# Altium PCB KlusterLab r2.0.PcbDoc (part 16 of 22) (continued)
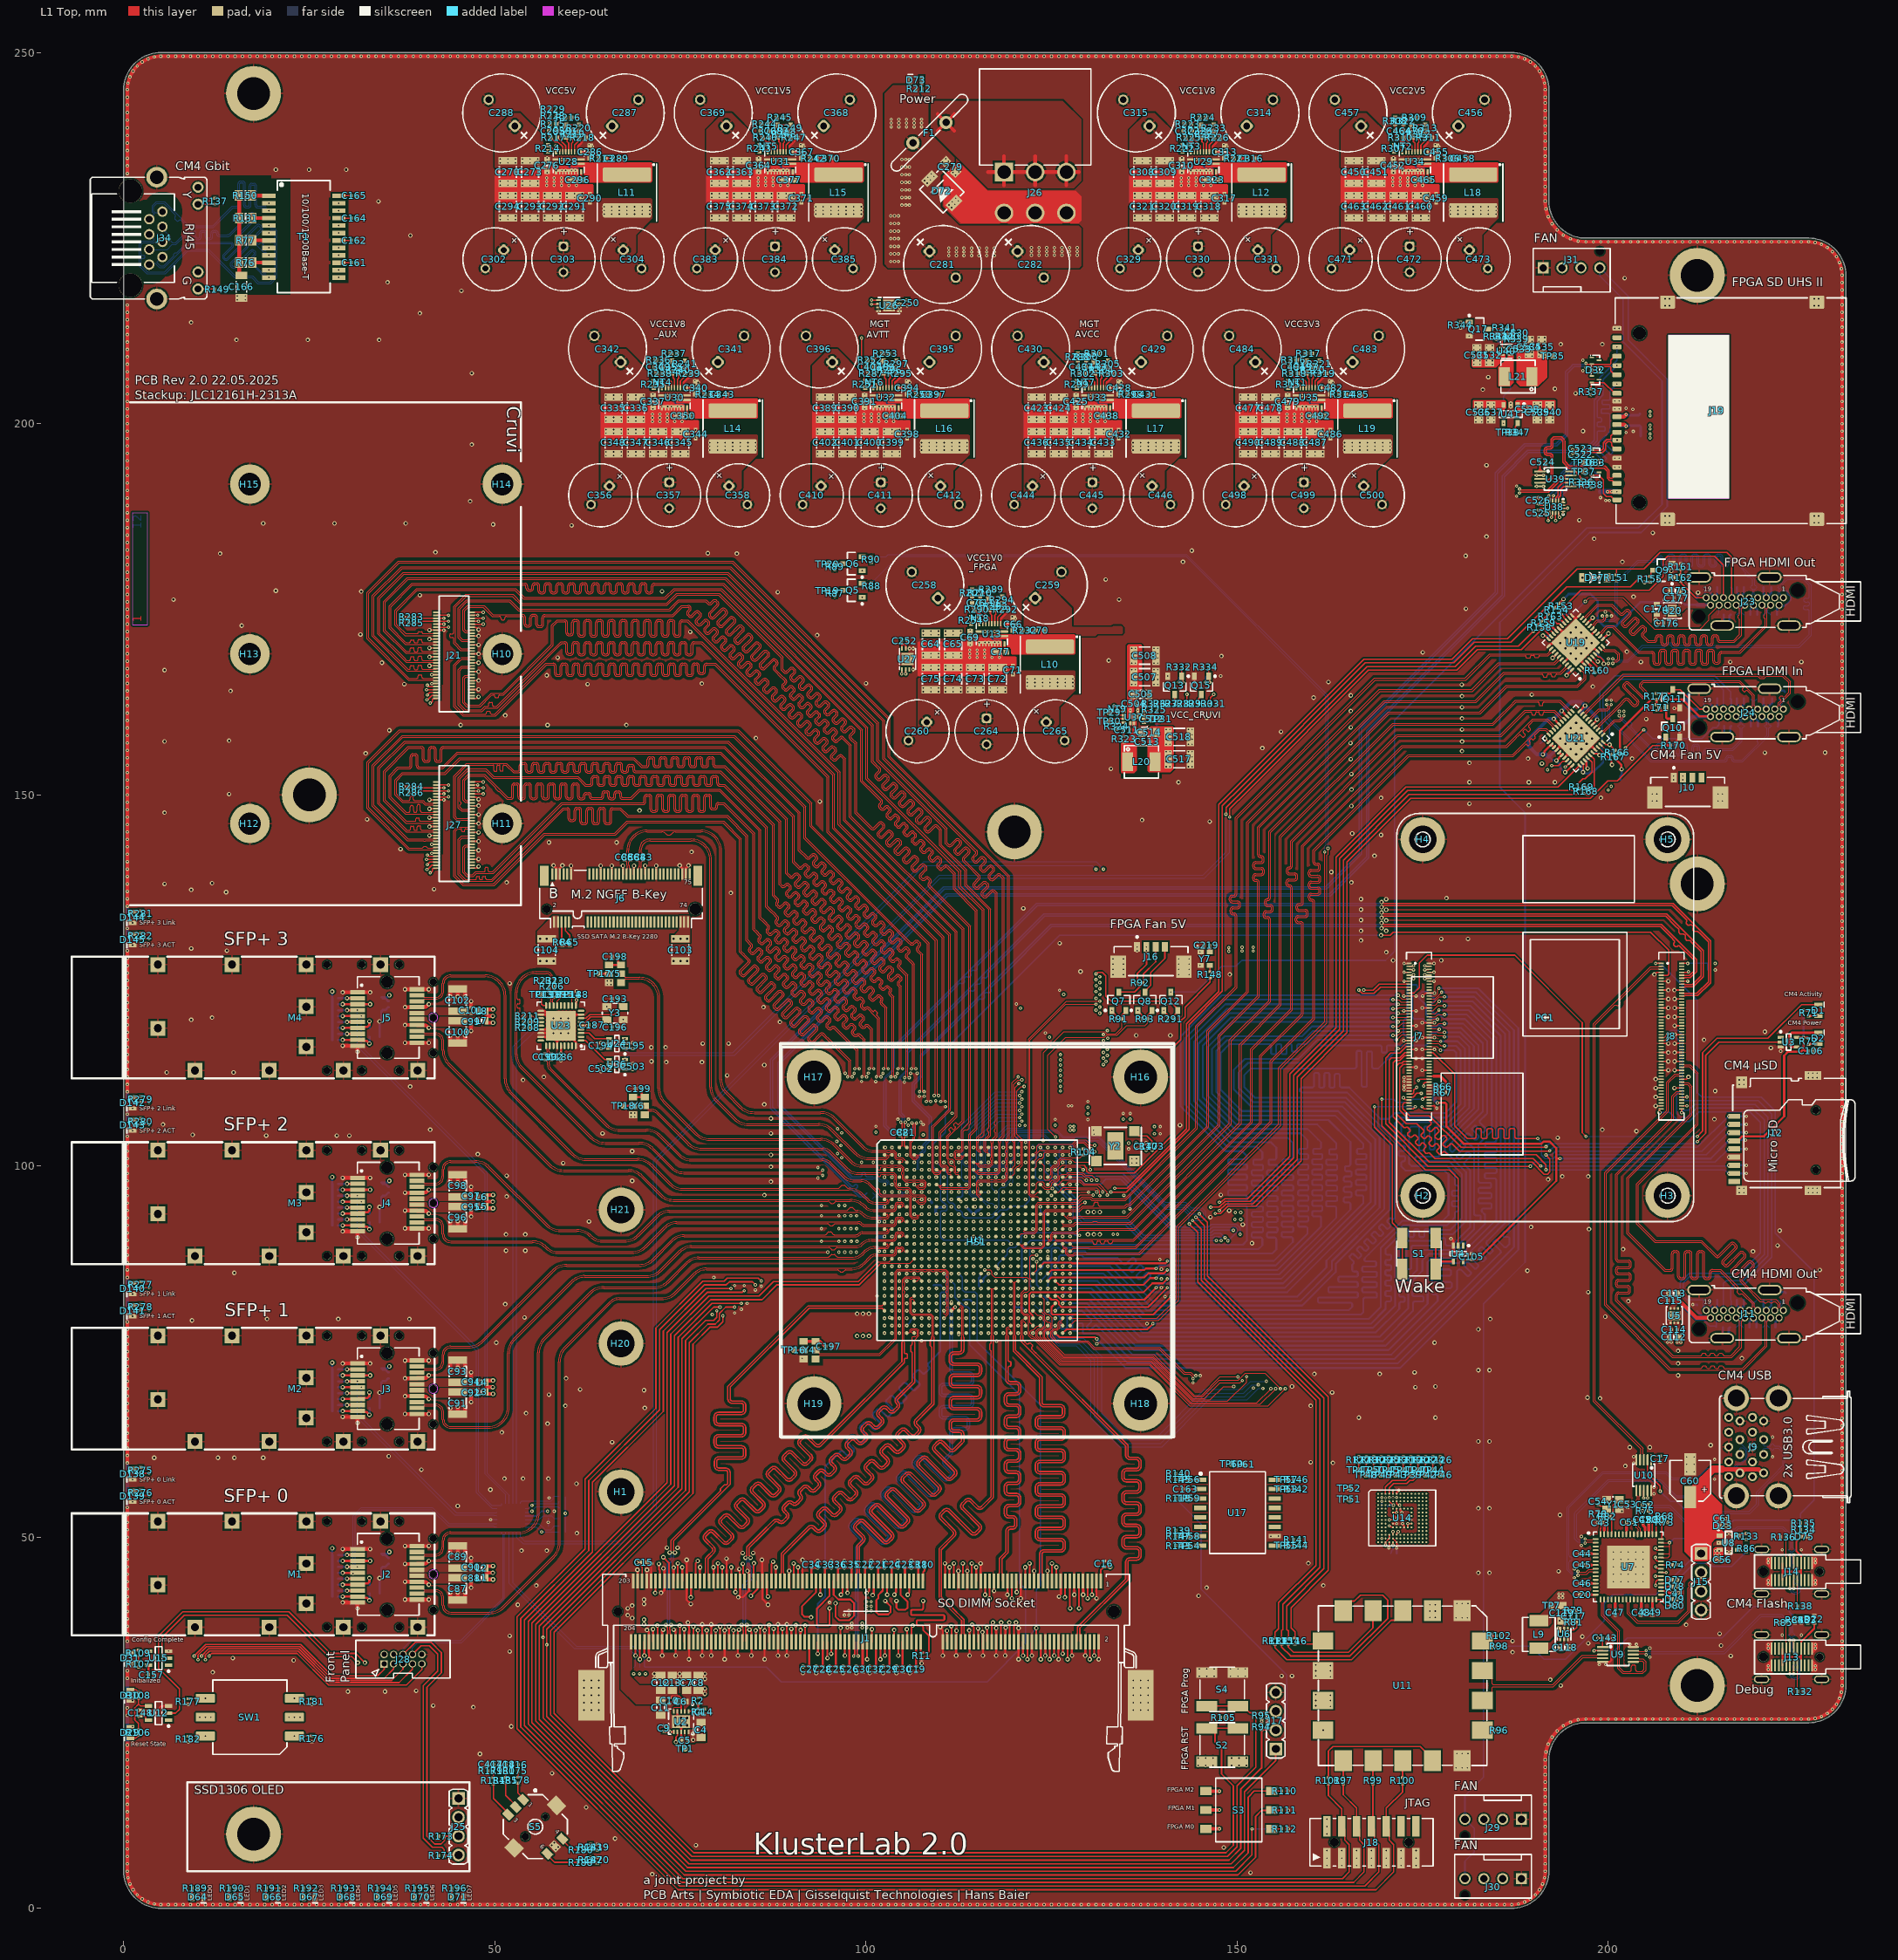
[diagram p0: L1 Top view]
## Nets (pads, with @x,y where several pads share a name; then routed paths per layer and width w, separated by ;. In a path a pad name is that pad's centre, name@x,y a point inside that pad or via, vN(x,y) a via of type N, cw(c..) or ccw(c..) an arc to the next point about the centre after c; other vN are vias at no path point) (continued)
  L12 Bottom w0.15: v2(200.187,156.754) 200.187,159.365 199.597,159.954 199.597,161.454 199.297,161.754 199.297,163.654 201.197,165.554 214.097,165.554 215.497,164.154 215.497,162.979 D61.2@215.522,162.954 ; J24.15@215.509,161.554 D61.2@215.509,162.941
HDMI_FPGA_C_RXSDA: D62.2 J24.16 R167.1 U21.39 | length 20.7
  L1 Top w0.15: v1(202.297,156.354) 202.347,156.354 204.747,158.754 v1(204.797,158.754)
  L1 Top w0.2: U21.39@198.96,156.778 200.321,155.417 R167.1@200.392,155.417
  L12 Bottom w0.15: v2(199.897,155.854) 201.797,155.854 v1(202.297,156.354) ; v1(204.797,158.754) 205.997,157.554 212.597,157.554 214.097,159.054 214.572,159.054 D62.2@214.772,159.254 ; D62.2@214.732,159.254 214.932,159.454 J24.16@214.932,160.554
HDMI_FPGA_C_TX0_N: D41.2 J23.9 U19.16 | length 47.6
  L1 Top w0.114: U19.16@197.512,172.761 197.683,172.933 197.867,172.933 198.475,173.541 199.217,173.541 199.396,173.72 199.396,173.866 199.217,174.045 v1(199.217,174.1)
  L12 Bottom w0.114: v1(199.217,174.1) 199.217,174.045 199.396,173.866 199.396,173.621 199.645,173.372 200.816,173.372 201.197,173.754 201.197,178.497 204.096,181.396 204.619,181.396 206.174,181.396 ccw(c206.174,181.806) 206.584,181.806 cw(c206.753,181.806) 206.753,181.975 206.979,181.975 cw(c206.979,181.806) 207.148,181.806 207.148,181.189 ccw(c207.558,181.189) 207.558,180.779 207.783,180.779 ccw(c207.783,181.189) 208.193,181.189 208.193,182.004 cw(c208.363,182.004) 208.363,182.173 208.588,182.173 cw(c208.588,182.004) 208.757,182.004 208.757,181.109 ccw(c209.167,181.109) 209.167,180.699 209.393,180.699 ccw(c209.393,181.109) 209.803,181.109 209.803,182.004 cw(c209.972,182.004) 209.972,182.173 210.197,182.173 cw(c210.197,182.004) 210.366,182.004 210.366,181.109 ccw(c210.776,181.109) 210.776,180.699 211.002,180.699 ccw(c211.002,181.109) 211.412,181.109 211.412,182.004 cw(c211.581,182.004) 211.581,182.173 211.806,182.173 cw(c211.806,182.004) 211.976,182.004 211.976,181.109 ccw(c212.386,181.109) 212.386,180.699 212.611,180.699 ccw(c212.611,181.109) 213.021,181.109 213.021,182.004 cw(c213.19,182.004) 213.19,182.173 213.416,182.173 cw(c213.416,182.004) 213.585,182.004 213.585,181.109 ccw(c213.995,181.109) 213.995,180.699 214.22,180.699 ccw(c214.22,181.109) 214.63,181.109 214.63,182.004 cw(c214.799,182.004) 214.799,182.173 215.025,182.173 cw(c215.025,182.004) 215.194,182.004 215.194,181.109 ccw(c215.604,181.109) 215.604,180.699 215.829,180.699 ccw(c215.829,181.109) 216.239,181.109 216.239,181.227 cw(c216.408,181.227) 216.408,181.396 216.586,181.396 217.015,181.396 218.117,180.294 218.157,180.254 218.521,179.89 218.521,179.745 218.51,179.735 218.51,179.589 218.728,179.371 218.874,179.371 218.884,179.382 219.029,179.382 219.096,179.315 219.136,179.275 219.465,178.946 219.465,178.239 219.398,178.172 219.341,178.172 D41.2@219.122,177.954 219.341,177.736 219.411,177.736 219.478,177.669 219.478,177.252 219.446,177.22 219.446,177.025 J23.9@218.975,176.554
HDMI_FPGA_C_TX0_P: D40.2 J23.7 U19.15 | length 47.6
  L1 Top w0.114: U19.15@197.865,172.408 198.037,172.579 198.037,172.762 198.575,173.3 199.317,173.3 199.637,173.621 199.637,173.866 199.817,174.045 v1(199.817,174.1)
  L12 Bottom w0.114: v1(199.817,174.1) 199.817,174.045 199.637,173.866 199.637,173.72 199.744,173.613 200.716,173.613 200.957,173.854 200.957,178.597 203.996,181.637 204.619,181.637 206.174,181.637 ccw(c206.174,181.806) 206.343,181.806 cw(c206.753,181.806) 206.753,182.216 206.979,182.216 cw(c206.979,181.806) 207.389,181.806 207.389,181.189 ccw(c207.558,181.189) 207.558,181.019 207.783,181.019 ccw(c207.783,181.189) 207.953,181.189 207.953,182.004 cw(c208.363,182.004) 208.363,182.414 208.588,182.414 cw(c208.588,182.004) 208.998,182.004 208.998,181.109 ccw(c209.167,181.109) 209.167,180.94 209.393,180.94 ccw(c209.393,181.109) 209.562,181.109 209.562,182.004 cw(c209.972,182.004) 209.972,182.414 210.197,182.414 cw(c210.197,182.004) 210.607,182.004 210.607,181.109 ccw(c210.776,181.109) 210.776,180.94 211.002,180.94 ccw(c211.002,181.109) 211.171,181.109 211.171,182.004 cw(c211.581,182.004) 211.581,182.414 211.806,182.414 cw(c211.806,182.004) 212.216,182.004 212.216,181.109 ccw(c212.386,181.109) 212.386,180.94 212.611,180.94 ccw(c212.611,181.109) 212.78,181.109 212.78,182.004 cw(c213.19,182.004) 213.19,182.414 213.416,182.414 cw(c213.416,182.004) 213.826,182.004 213.826,181.109 ccw(c213.995,181.109) 213.995,180.94 214.22,180.94 ccw(c214.22,181.109) 214.389,181.109 214.389,182.004 cw(c214.799,182.004) 214.799,182.414 215.025,182.414 cw(c215.025,182.004) 215.435,182.004 215.435,181.109 ccw(c215.604,181.109) 215.604,180.94 215.829,180.94 ccw(c215.829,181.109) 215.999,181.109 215.999,181.227 cw(c216.408,181.227) 216.408,181.637 216.586,181.637 217.115,181.637 219.705,179.046 219.705,178.239 219.772,178.172 219.829,178.172 D40.2@220.047,177.954 219.829,177.736 219.759,177.736 219.692,177.669 219.692,177.163 219.66,177.131 219.66,177.025 J23.7@220.13,176.554
HDMI_FPGA_C_TX1_N: D39.2 J23.6 U19.13 | length 49.3
  L1 Top w0.114: U19.13@198.572,171.7 198.744,171.872 198.927,171.872 199.779,172.724 199.85,172.795 200.705,172.795 204.184,169.316 204.875,169.316 205.857,169.316 cw(c205.857,168.906) 206.267,168.906 206.267,167.898 ccw(c206.436,167.898) 206.436,167.729 206.661,167.729 ccw(c206.661,167.898) 206.831,167.898 206.831,169.184 cw(c207.241,169.184) 207.241,169.594 207.466,169.594 cw(c207.466,169.184) 207.876,169.184 207.876,167.898 ccw(c208.045,167.898) 208.045,167.729 208.271,167.729 ccw(c208.271,167.898) 208.44,167.898 208.44,169.184 cw(c208.85,169.184) 208.85,169.594 209.075,169.594 cw(c209.075,169.184) 209.485,169.184 209.485,167.898 ccw(c209.654,167.898) 209.654,167.729 209.88,167.729 ccw(c209.88,167.898) 210.049,167.898 210.049,169.184 cw(c210.459,169.184) 210.459,169.594 210.684,169.594 cw(c210.684,169.184) 211.094,169.184 211.094,167.898 ccw(c211.264,167.898) 211.264,167.729 211.489,167.729 ccw(c211.489,167.898) 211.658,167.898 211.658,169.184 cw(c212.068,169.184) 212.068,169.594 212.294,169.594 cw(c212.294,169.184) 212.704,169.184 212.704,167.898 ccw(c212.873,167.898) 212.873,167.729 213.098,167.729 ccw(c213.098,167.898) 213.267,167.898 213.267,169.184 cw(c213.677,169.184) 213.677,169.594 213.903,169.594 cw(c213.903,169.184) 214.313,169.184 214.313,168.05 ccw(c214.482,168.05) 214.482,167.881 214.707,167.881 ccw(c214.707,168.05) 214.877,168.05 214.877,168.906 cw(c215.286,168.906) 215.286,169.316 216.503,169.316 217.666,169.316 221.165,172.815 221.165,173.618 221.165,173.675 221.062,173.778 221.047,173.778 220.944,173.881 220.944,174.189 221.047,174.292 221.062,174.292 221.165,174.394 221.165,174.472 221.165,175.097 J23.6@220.707,175.554
  L12 Bottom w0.114: J23.6@220.707,175.554 221.178,175.083 221.178,174.853 221.291,174.741 221.291,174.539 221.224,174.472 221.141,174.472 D39.2@220.922,174.254
HDMI_FPGA_C_TX1_P: D38.2 J23.4 U19.12 | length 49.3
  L1 Top w0.114: U19.12@198.926,171.347 199.098,171.519 199.098,171.702 199.95,172.554 200.605,172.554 204.084,169.075 204.875,169.075 205.857,169.075 cw(c205.857,168.906) 206.026,168.906 206.026,167.898 ccw(c206.436,167.898) 206.436,167.488 206.661,167.488 ccw(c206.661,167.898) 207.071,167.898 207.071,169.184 cw(c207.241,169.184) 207.241,169.354 207.466,169.354 cw(c207.466,169.184) 207.635,169.184 207.635,167.898 ccw(c208.045,167.898) 208.045,167.488 208.271,167.488 ccw(c208.271,167.898) 208.681,167.898 208.681,169.184 cw(c208.85,169.184) 208.85,169.354 209.075,169.354 cw(c209.075,169.184) 209.244,169.184 209.244,167.898 ccw(c209.654,167.898) 209.654,167.488 209.88,167.488 ccw(c209.88,167.898) 210.29,167.898 210.29,169.184 cw(c210.459,169.184) 210.459,169.354 210.684,169.354 cw(c210.684,169.184) 210.854,169.184 210.854,167.898 ccw(c211.264,167.898) 211.264,167.488 211.489,167.488 ccw(c211.489,167.898) 211.899,167.898 211.899,169.184 cw(c212.068,169.184) 212.068,169.354 212.294,169.354 cw(c212.294,169.184) 212.463,169.184 212.463,167.898 ccw(c212.873,167.898) 212.873,167.488 213.098,167.488 ccw(c213.098,167.898) 213.508,167.898 213.508,169.184 cw(c213.677,169.184) 213.677,169.354 213.903,169.354 cw(c213.903,169.184) 214.072,169.184 214.072,168.05 ccw(c214.482,168.05) 214.482,167.64 214.707,167.64 ccw(c214.707,168.05) 215.117,168.05 215.117,168.906 cw(c215.286,168.906) 215.286,169.075 216.503,169.075 217.766,169.075 221.405,172.715 221.405,175.097 J23.4@221.862,175.554
  L12 Bottom w0.114: J23.4@221.862,175.554 221.392,175.083 221.392,174.942 221.504,174.829 221.504,174.539 221.571,174.472 221.654,174.472 D38.2@221.872,174.254
HDMI_FPGA_C_TX2_N: D36.2 J23.3 U19.10 | length 47.6
  L1 Top w0.114: U19.10@199.28,170.032 199.451,169.86 199.451,169.677 199.565,169.563 200.888,169.563 201.497,168.954 201.497,168.213 201.19,167.906 200.854,167.906 200.674,167.727 v1(200.619,167.727)
  L12 Bottom w0.114: v1(200.619,167.727) 200.674,167.727 200.854,167.906 202.722,167.906 204.7,169.884 207.345,169.884 207.572,169.884 207.826,170.138 207.826,170.145 207.939,170.257 208.277,170.257 208.39,170.145 208.39,170.138 208.644,169.884 209.479,169.884 225.7,169.884 227.341,171.525 227.341,178.275 226.375,179.241 224.028,179.241 223.302,178.515 223.302,177.944 223.079,177.722 222.898,177.54 222.898,176.969 222.483,176.554 J23.3@222.44,176.554 ; D36.2@223.001,177.775 D36.2@222.822,177.954 222.847,177.954 D36.2@223.066,178.172
HDMI_FPGA_C_TX2_P: D35.2 J23.1 U19.9 | length 47.6
  L1 Top w0.114: U19.9@198.926,169.678 199.098,169.507 199.281,169.507 199.465,169.322 200.789,169.322 201.257,168.854 201.257,168.313 201.091,168.147 200.854,168.147 200.674,168.327 v1(200.619,168.327)
  L12 Bottom w0.114: v1(200.619,168.327) 200.674,168.327 200.854,168.147 202.622,168.147 204.6,170.125 207.345,170.125 207.473,170.125 207.585,170.238 207.585,170.244 207.839,170.498 208.377,170.498 208.631,170.244 208.631,170.238 208.744,170.125 209.479,170.125 225.6,170.125 227.1,171.625 227.1,174.641 227.1,174.698 ccw(c226.843,174.698) 226.843,174.955 226.52,174.955 cw(c226.52,175.212) 226.263,175.212 cw(c226.52,175.212) 226.52,175.469 226.865,175.469 ccw(c226.865,175.726) 227.122,175.726 ccw(c226.865,175.726) 226.865,175.983 226.583,175.983 cw(c226.583,176.24) 226.326,176.24 cw(c226.583,176.24) 226.583,176.497 226.843,176.497 ccw(c226.843,176.754) 227.1,176.754 227.1,177.185 227.1,178.175 226.85,178.425 226.275,179 224.127,179 223.542,178.415 223.542,177.845 223.179,177.481 223.111,177.413 223.111,177.038 J23.1@223.595,176.554
HDMI_FPGA_C_TXC_N: D43.2 J23.12 U19.19 | length 49.3
  L1 Top w0.114: U19.19@196.451,173.822 196.623,173.993 196.806,173.993 198.507,175.695 200.492,175.695 201.569,174.619 201.659,174.529 201.694,174.493 ccw(c201.803,174.602) 201.912,174.493 202.27,174.851 cw(c202.549,174.572) 202.788,174.887 202.793,174.887 203.009,174.671 203.009,174.666 cw(c202.695,174.427) 202.974,174.147 202.026,173.2 ccw(c202.135,173.091) 202.026,172.982 202.171,172.836 ccw(c202.28,172.945) 202.389,172.836 203.337,173.784 cw(c203.616,173.505) 203.855,173.819 203.86,173.819 204.076,173.604 204.076,173.598 cw(c203.762,173.36) 204.041,173.08 ; 204.04,173.08 203.093,172.132 ccw(c203.202,172.023) 203.093,171.914 203.239,171.769 ccw(c203.348,171.878) 203.456,171.769 204.344,172.657 cw(c204.624,172.378) 204.862,172.692 204.868,172.692 205.083,172.476 205.083,172.471 cw(c204.769,172.232) 205.048,171.953 204.75,171.655 ccw(c204.859,171.546) 204.75,171.437 205.047,171.14 205.137,171.05 205.387,170.8 206.022,170.8 206.199,170.8 ccw(c206.199,170.954) 206.353,170.954 206.353,171.151 cw(c206.748,171.151) 206.748,171.546 206.954,171.546 cw(c206.954,171.151) 207.349,171.151 207.349,170.487 ccw(c207.503,170.487) 207.503,170.333 207.708,170.333 ccw(c207.708,170.487) 207.863,170.487 207.863,171.151 cw(c208.258,171.151) 208.258,171.546 208.463,171.546 cw(c208.463,171.151) 208.858,171.151 208.858,170.487 ccw(c209.012,170.487) 209.012,170.333 209.218,170.333 ccw(c209.218,170.487) 209.372,170.487 209.372,171.151 cw(c209.767,171.151) 209.767,171.546 209.972,171.546 cw(c209.972,171.151) 210.367,171.151 210.367,170.487 ccw(c210.521,170.487) 210.521,170.333 210.727,170.333 ccw(c210.727,170.487) 210.881,170.487 210.881,171.151 cw(c211.276,171.151) 211.276,171.546 211.481,171.546 cw(c211.481,171.151) 211.876,171.151 211.876,170.487 ccw(c212.03,170.487) 212.03,170.333 212.236,170.333 ccw(c212.236,170.487) 212.39,170.487 212.39,171.151 cw(c212.785,171.151) 212.785,171.546 212.991,171.546 cw(c212.991,171.151) 213.386,171.151 213.386,170.487 ccw(c213.54,170.487) 213.54,170.333 213.745,170.333 ccw(c213.745,170.487) 213.899,170.487 213.899,171.151 cw(c214.294,171.151) 214.294,171.546 214.5,171.546 cw(c214.5,171.151) 214.895,171.151 214.895,170.954 ccw(c215.049,170.954) 215.049,170.8 216.425,170.8 216.9,170.8 217.7,171.6 217.7,173.525 217.7,173.582 217.597,173.684 217.586,173.684 217.483,173.787 217.483,174.095 217.586,174.198 217.597,174.198 217.7,174.301 217.7,174.505 217.7,175.097 J23.12@217.242,175.554
  L12 Bottom w0.114: J23.12@217.242,175.554 217.713,175.083 217.713,174.897 217.691,174.874 217.691,174.539 217.624,174.472 217.541,174.472 D43.2@217.322,174.254
HDMI_FPGA_C_TXC_P: D42.2 J23.10 U19.18 | length 49.3
  L1 Top w0.114: U19.18@196.805,173.468 196.976,173.64 196.976,173.823 198.607,175.454 200.393,175.454 201.398,174.448 201.488,174.358 201.523,174.324 ccw(c201.803,174.602) 202.082,174.323 202.44,174.681 cw(c202.549,174.572) 202.659,174.681 202.803,174.536 ; 202.803,174.536 cw(c202.695,174.427) 202.804,174.318 201.856,173.37 ccw(c202.135,173.091) 201.856,172.811 202.001,172.666 ccw(c202.28,172.945) 202.56,172.666 203.507,173.614 cw(c203.616,173.505) 203.726,173.613 ; 203.627,171.599 cw(c203.348,171.878) 203.068,171.599 202.923,171.744 cw(c203.202,172.023) 202.923,172.303 203.871,173.251 ccw(c203.762,173.36) 203.87,173.469 203.726,173.613 ; 203.627,171.599 204.515,172.487 cw(c204.624,172.378) 204.733,172.486 204.877,172.342 cw(c204.769,172.232) 204.878,172.123 204.58,171.825 ccw(c204.859,171.546) 204.58,171.266 204.877,170.97 204.967,170.88 205.288,170.559 206.022,170.559 206.199,170.559 ccw(c206.199,170.954) 206.594,170.954 206.594,171.151 cw(c206.748,171.151) 206.748,171.305 206.954,171.305 cw(c206.954,171.151) 207.108,171.151 207.108,170.487 ccw(c207.503,170.487) 207.503,170.092 207.708,170.092 ccw(c207.708,170.487) 208.103,170.487 208.103,171.151 cw(c208.258,171.151) 208.258,171.305 208.463,171.305 cw(c208.463,171.151) 208.617,171.151 208.617,170.487 ccw(c209.012,170.487) 209.012,170.092 209.218,170.092 ccw(c209.218,170.487) 209.613,170.487 209.613,171.151 cw(c209.767,171.151) 209.767,171.305 209.972,171.305 cw(c209.972,171.151) 210.126,171.151 210.126,170.487 ccw(c210.521,170.487) 210.521,170.092 210.727,170.092 ccw(c210.727,170.487) 211.122,170.487 211.122,171.151 cw(c211.276,171.151) 211.276,171.305 211.481,171.305 cw(c211.481,171.151) 211.636,171.151 211.636,170.487 ccw(c212.03,170.487) 212.03,170.092 212.236,170.092 ccw(c212.236,170.487) 212.631,170.487 212.631,171.151 cw(c212.785,171.151) 212.785,171.305 212.991,171.305 cw(c212.991,171.151) 213.145,171.151 213.145,170.487 ccw(c213.54,170.487) 213.54,170.092 213.745,170.092 ccw(c213.745,170.487) 214.14,170.487 214.14,171.151 cw(c214.294,171.151) 214.294,171.305 214.5,171.305 cw(c214.5,171.151) 214.654,171.151 214.654,170.954 ccw(c215.049,170.954) 215.049,170.559 216.425,170.559 217,170.559 217.94,171.5 217.94,175.097 J23.10@218.397,175.554
  L12 Bottom w0.114: D42.2@218.272,174.254 218.054,174.472 217.971,174.472 217.904,174.539 217.904,174.786 217.927,174.808 217.927,175.083 J23.10@218.397,175.554
HDMI_FPGA_C_TXSCL: D45.2 J23.15 R153.1 U19.22 | length 33.7
  L1 Top w0.15: U19.22@194.782,173.822 194.782,173.849 194.369,174.263 194.369,174.731 193.921,175.178 196.297,177.554 205.497,177.554 207.397,179.454 207.397,181.554 207.997,182.154 214.297,182.154 215.509,180.942 J23.15@215.509,176.554
  L12 Bottom w0.166: J23.15@215.509,176.554 215.509,177.941 D45.2@215.522,177.954
HDMI_FPGA_C_TXSDA: D46.2 J23.16 R154.1 U19.23 | length 28.6
  L1 Top w0.114: v1(196.897,176.054) 197.397,176.554 201.997,176.554 206.197,172.354 212.397,172.354 213.585,173.541 213.585,174.206 J23.16@214.932,175.554
  L1 Top w0.2: R154.1@193.35,174.617 193.419,174.617 193.997,174.038 193.997,173.927 194.429,173.495 U19.23@194.429,173.468
  L12 Bottom w0.114: D46.2@214.697,174.254 214.714,174.254 214.932,174.472 J23.16@214.932,175.554
  L12 Bottom w0.15: v1(193.708,174.328) 195.171,174.328 v1(196.897,176.054)
HDMI_FPGA_LS_TXHPD: D47.2 J23.19 R162.2 | length 6.1
  L1 Top w0.15: R162.2@209.757,178.859 209.82,178.797 209.82,178.532 211.797,176.554 J23.19@213.199,176.554
  L12 Bottom w0.15: D47.2@212.872,177.954 212.872,177.426 213.046,177.252 213.046,176.707 J23.19@213.199,176.554
HDMI_FPGA_RX0_N: U1.N24 U21.14 | length 120.8
  L1 Top w0.1: U1.N24@125.5,90.5 125.524,90.476 125.524,90.159 125.583,90.1 128.4,90.1 128.42,90.12
  L1 Top w0.114: 128.42,90.12 135.98,90.12 151.809,105.95 151.809,115.757 151.88,115.828 157.2,121.148 157.2,137.272 157.2,137.45 ccw(c157.031,137.45) 157.031,137.619 156.98,137.619 cw(c156.98,138.029) 156.57,138.029 156.57,138.254 cw(c156.98,138.254) 156.98,138.664 157.746,138.664 ccw(c157.746,138.833) 157.915,138.833 157.915,139.059 ccw(c157.746,139.059) 157.746,139.228 157.031,139.228 cw(c157.031,139.638) 156.621,139.638 156.621,139.864 cw(c157.031,139.864) 157.031,140.274 ccw(c157.031,140.443) 157.2,140.443 157.2,141.9 157.2,143.762 157.271,143.832 171.458,158.02 171.529,158.091 185.494,158.091 188.798,161.395 192.746,161.395 193.755,160.386 193.938,160.386 U21.14@194.11,160.215
HDMI_FPGA_RX0_P: U1.P24 U21.15 | length 123.2
  L1 Top w0.1: U1.P24@125.5,89.5 125.5,89.841 125.559,89.9 128.4,89.9 128.42,89.88
  L1 Top w0.114: 128.42,89.88 129.875,89.88 130.446,89.88 cw(c130.446,89.725) 130.6,89.725 130.6,89.638 ccw(c130.754,89.638) 130.754,89.484 130.96,89.484 ccw(c130.96,89.638) 131.114,89.638 131.114,89.752 cw(c131.268,89.752) 131.268,89.907 131.473,89.907 cw(c131.473,89.752) 131.627,89.752 131.627,89.674 ccw(c131.782,89.674) 131.782,89.52 131.987,89.52 ccw(c131.987,89.674) 132.141,89.674 132.141,89.752 cw(c132.295,89.752) 132.295,89.907 132.501,89.907 cw(c132.501,89.752) 132.655,89.752 132.655,89.725 ccw(c132.809,89.725) 132.809,89.571 133.015,89.571 ccw(c133.015,89.725) 133.169,89.725 cw(c133.323,89.725) 133.323,89.88 134.511,89.88 136.08,89.88 152.05,105.85 152.05,115.658 157.37,120.978 157.441,121.048 157.441,137.272 157.441,137.45 ccw(c157.031,137.45) 157.031,137.86 156.98,137.86 cw(c156.98,138.029) 156.81,138.029 156.81,138.254 cw(c156.98,138.254) 156.98,138.424 157.746,138.424 ccw(c157.746,138.833) 158.156,138.833 158.156,139.059 ccw(c157.746,139.059) 157.746,139.469 157.031,139.469 cw(c157.031,139.638) 156.862,139.638 156.862,139.864 cw(c157.031,139.864) 157.031,140.033 ccw(c157.031,140.443) 157.441,140.443 157.441,141.9 157.441,143.662 171.629,157.85 185.594,157.85 188.897,161.154 188.971,161.154 189.542,161.154 cw(c189.542,161) 189.696,161 189.696,160.912 ccw(c189.85,160.912) 189.85,160.758 190.056,160.758 ccw(c190.056,160.912) 190.21,160.912 190.21,161.027 cw(c190.364,161.027) 190.364,161.181 190.57,161.181 cw(c190.57,161.027) 190.724,161.027 190.724,160.912 ccw(c190.878,160.912) 190.878,160.758 191.084,160.758 ccw(c191.084,160.912) 191.238,160.912 191.238,161 cw(c191.392,161) 191.392,161.154 192.598,161.154 192.646,161.154 193.584,160.216 193.584,160.033 U21.15@193.756,159.861
HDMI_FPGA_RX1_N: U1.P26 U21.17 | length 117.7
  L1 Top w0.114: U1.P26@127.5,89.5 127.88,89.12 136.28,89.12 153.05,105.891 153.05,114.877 153.121,114.947 158.7,120.527 158.7,132.342 158.7,132.519 ccw(c158.531,132.519) 158.531,132.688 158.232,132.688 cw(c158.232,133.098) 157.822,133.098 157.822,133.323 cw(c158.232,133.323) 158.232,133.733 159.184,133.733 ccw(c159.184,133.903) 159.353,133.903 159.353,134.128 ccw(c159.184,134.128) 159.184,134.297 158.319,134.297 cw(c158.319,134.707) 157.909,134.707 157.909,134.933 cw(c158.319,134.933) 158.319,135.343 158.531,135.343 ccw(c158.531,135.512) 158.7,135.512 158.7,136.35 158.7,143.141 158.771,143.211 172.2,156.641 186.244,156.641 189.812,160.209 191.811,160.209 191.882,160.138 192.694,159.326 192.877,159.326 U21.17@193.049,159.154
HDMI_FPGA_RX1_P: U1.R26 U21.18 | length 119.5
  L1 Top w0.114: U1.R26@127.5,88.5 127.88,88.88 136.38,88.88 153.291,105.791 153.291,114.777 158.87,120.357 158.941,120.427 158.941,132.342 158.941,132.519 ccw(c158.531,132.519) 158.531,132.929 158.232,132.929 cw(c158.232,133.098) 158.063,133.098 158.063,133.323 cw(c158.232,133.323) 158.232,133.493 159.184,133.493 ccw(c159.184,133.903) 159.594,133.903 159.594,134.128 ccw(c159.184,134.128) 159.184,134.538 158.319,134.538 cw(c158.319,134.707) 158.15,134.707 158.15,134.933 cw(c158.319,134.933) 158.319,135.102 158.531,135.102 ccw(c158.531,135.512) 158.941,135.512 158.941,136.35 158.941,143.041 172.3,156.4 186.344,156.4 187.578,157.635 187.618,157.675 187.982,158.038 cw(c188.091,157.929) 188.2,158.038 188.424,157.814 ccw(c188.533,157.923) 188.642,157.814 188.788,157.959 ccw(c188.679,158.068) 188.788,158.177 188.544,158.421 cw(c188.653,158.53) 188.544,158.639 188.689,158.784 cw(c188.798,158.675) 188.907,158.784 189.113,158.578 ccw(c189.222,158.687) 189.331,158.578 189.476,158.723 ccw(c189.367,158.832) 189.476,158.941 189.29,159.128 cw(c189.399,159.237) 189.29,159.346 189.522,159.578 189.911,159.968 191.711,159.968 192.524,159.155 192.524,158.972 U21.18@192.695,158.8
HDMI_FPGA_RX2_N: U1.P25 U21.19 | length 121.5
  L1 Top w0.1: U1.P25@126.5,89.5 126.577,89.423 126.577,89.159 126.635,89.1 126.883,89.1 127.1,88.883 127.1,88.3 127.3,88.1 127.9,88.1 128.1,88.3 128.5,88.3 128.52,88.32
  L1 Top w0.114: 128.52,88.32 136.78,88.32 154.45,105.991 154.45,114.155 154.521,114.226 160.2,119.905 160.2,135.357 160.2,135.534 ccw(c160.031,135.534) 160.031,135.703 159.988,135.703 cw(c159.988,136.113) 159.578,136.113 159.578,136.339 cw(c159.988,136.339) 159.988,136.749 160.887,136.749 ccw(c160.887,136.918) 161.056,136.918 161.056,137.143 ccw(c160.887,137.143) 160.887,137.313 159.988,137.313 cw(c159.988,137.722) 159.578,137.722 159.578,137.948 cw(c159.988,137.948) 159.988,138.358 160.887,138.358 ccw(c160.887,138.527) 161.056,138.527 161.056,138.753 ccw(c160.887,138.753) 160.887,138.922 159.988,138.922 cw(c159.988,139.332) 159.578,139.332 159.578,139.557 cw(c159.988,139.557) 159.988,139.967 160.828,139.967 ccw(c160.828,140.136) 160.997,140.136 160.997,140.362 ccw(c160.828,140.362) 160.828,140.531 160.61,140.531 cw(c160.61,140.941) 160.2,140.941 160.2,142.311 160.2,142.541 160.271,142.611 172.989,155.329 173.059,155.4 187.103,155.4 188.23,156.527 190.654,158.951 191.654,158.951 191.724,158.881 191.987,158.619 192.17,158.619 U21.19@192.342,158.447
HDMI_FPGA_RX2_P: U1.R25 U21.20 | length 122.3
  L1 Top w0.1: U1.R25@126.5,88.5 126.577,88.577 126.577,88.841 126.635,88.9 126.8,88.9 126.9,88.8 126.9,88.217 127.159,87.959 127.217,87.9 127.983,87.9 128.183,88.1 128.5,88.1 128.52,88.08
  L1 Top w0.114: 128.52,88.08 136.88,88.08 154.691,105.891 154.691,114.056 160.37,119.735 160.441,119.806 160.441,135.357 160.441,135.534 ccw(c160.031,135.534) 160.031,135.944 159.988,135.944 cw(c159.988,136.113) 159.818,136.113 159.818,136.339 cw(c159.988,136.339) 159.988,136.508 160.887,136.508 ccw(c160.887,136.918) 161.297,136.918 161.297,137.143 ccw(c160.887,137.143) 160.887,137.553 159.988,137.553 cw(c159.988,137.722) 159.818,137.722 159.818,137.948 cw(c159.988,137.948) 159.988,138.117 160.887,138.117 ccw(c160.887,138.527) 161.297,138.527 161.297,138.753 ccw(c160.887,138.753) 160.887,139.163 159.988,139.163 cw(c159.988,139.332) 159.818,139.332 159.818,139.557 cw(c159.988,139.557) 159.988,139.726 160.828,139.726 ccw(c160.828,140.136) 161.238,140.136 161.238,140.362 ccw(c160.828,140.362) 160.828,140.772 160.61,140.772 cw(c160.61,140.941) 160.441,140.941 160.441,142.311 160.441,142.441 173.159,155.159 187.203,155.159 188.4,156.356 188.804,156.76 cw(c188.913,156.651) 189.022,156.76 189.092,156.69 ccw(c189.201,156.799) 189.31,156.69 189.455,156.835 ccw(c189.346,156.944) 189.455,157.053 189.366,157.142 cw(c189.475,157.251) 189.366,157.36 189.511,157.506 cw(c189.62,157.397) 189.729,157.506 189.76,157.474 ccw(c189.869,157.583) 189.978,157.474 190.124,157.62 ccw(c190.015,157.729) 190.124,157.838 190.111,157.85 cw(c190.22,157.959) 190.111,158.068 190.527,158.483 190.754,158.711 191.554,158.711 191.817,158.448 191.817,158.265 U21.20@191.988,158.093
HDMI_FPGA_RXC_N: U1.N23 U21.11 | length 121.5
  L1 Top w0.1: U1.N23@124.5,90.5 124.577,90.423 124.577,90.159 124.635,90.1 124.8,90.1 124.9,90.2 124.9,90.782 125.017,90.9 125.1,90.983 125.218,91.1 128,91.1 128.02,91.12
  L1 Top w0.114: 128.02,91.12 128.28,91.12 128.759,91.6 136.1,91.6 150.309,105.809 150.309,116.379 150.38,116.449 155.7,121.769 155.7,144.383 155.771,144.454 170.896,159.579 170.967,159.65 184.409,159.65 185.38,160.62 186.706,161.947 187.493,162.734 193.529,162.734 194.815,161.447 194.999,161.447 U21.11@195.17,161.275
HDMI_FPGA_RXC_P: U1.P23 U21.12 | length 122
  L1 Top w0.1: U1.P23@124.5,89.5 124.577,89.577 124.577,89.841 124.635,89.9 124.883,89.9 125.1,90.117 125.1,90.7 125.3,90.9 128,90.9 128.02,90.88
  L1 Top w0.114: 128.02,90.88 128.38,90.88 128.859,91.359 136.2,91.359 150.55,105.709 150.55,116.279 155.87,121.599 155.941,121.67 155.941,144.283 171.067,159.409 184.509,159.409 187.599,162.499 189.955,162.499 190.526,162.499 cw(c190.526,162.345) 190.68,162.345 190.68,162.173 ccw(c190.834,162.173) 190.834,162.019 191.04,162.019 ccw(c191.04,162.173) 191.194,162.173 191.194,162.345 cw(c191.348,162.345) 191.348,162.499 191.675,162.499 192.013,162.499 ; 192.013,162.493 193.429,162.493 194.645,161.277 194.645,161.093 U21.12@194.817,160.922
HDMI_FPGA_RXCEC: U1.L24 U21.31 | length 120.5
  L1 Top w0.15: v1(147.613,95.125) 147.666,95.178 147.895,95.178 148.317,95.6 151.4,95.6 157.1,101.3 157.1,112.4 163.3,118.6 163.3,141.6 172.754,151.054 193.236,151.054 195.397,153.215 U21.31@196.132,153.95
  L3 Inner2 (Sig) w0.15: v1(125.5,92.5) 126.05,91.95 126.05,90.077 127.206,88.92 133.403,88.92 140.067,95.585 147.153,95.585 v1(147.613,95.125)
HDMI_FPGA_RXHPD: Q10.1 R170.2 U1.M22 | length 137.4
  L1 Top w0.15: v1(147.05,93.6) 147.784,93.6 148.784,94.6 152.521,94.6 158.6,100.679 158.6,111.779 164.8,117.979 164.8,140.979 173.375,149.554 197.597,149.554 199.947,151.904 201.247,151.904 205.997,156.654 207.922,156.654
  L1 Top w0.3: Q10.1@207.747,157.784 207.922,157.609 207.922,156.654 R170.2@208.402,156.654
  L3 Inner2 (Sig) w0.15: v1(123.51,91.5) 126.71,88.3 133.772,88.3 140.422,94.95 146.595,94.95 147.05,94.495 v1(147.05,93.6)
HDMI_FPGA_RXSCL: R168.1 U1.M24 U21.35 | length 126.8
  L1 Top w0.15: v1(147.6,94) 147.6,94.016 148.498,94.914 152.128,94.914 158.1,100.886 158.1,111.986 164.3,118.186 164.3,141.186 173.168,150.054 196.364,150.054 196.52,150.21 196.683,150.21 R168.1@196.718,150.175 196.877,150.175 197.097,149.954 197.397,149.954 198.097,150.654 198.097,150.954 198.097,154.813 U21.35@197.546,155.364
  L3 Inner2 (Sig) w0.15: v1(125.5,91.5) 125.5,90.091 126.991,88.6 133.648,88.6 140.312,95.264 146.843,95.264 147.6,94.507 v1@147.6,94.016
HDMI_FPGA_RXSDA: R169.1 U1.M21 U21.34 | length 127.6
  L1 Top w0.15: v1(146.45,94.45) 147.6,94.45 148.4,95.25 151.757,95.25 157.6,101.093 157.6,112.193 163.8,118.393 163.8,141.393 172.984,150.577 195.854,150.577 196.052,150.775 R169.1@196.118,150.775 196.118,150.933 195.897,151.154 195.897,151.454 196.597,152.154 196.897,152.154 197.797,153.054 197.797,154.405 U21.34@197.193,155.01
  L3 Inner2 (Sig) w0.15: v1(122.504,91.5) 123.1,90.904 123.1,90.2 123.3,90 123.652,90 124,89.652 124,89.3 124.3,89 124.6,89 125,88.6 125,88.262 125.3,87.962 133.912,87.962 140.581,94.631 146.212,94.631 146.394,94.45 v1(146.45,94.45)
HDMI_FPGA_TX0_N: U1.P20 U19.35 | length 130.1
  L1 Top w0.1: U1.P20@121.5,89.5 121.423,89.423 121.159,89.423 121.1,89.365 121.1,89.259 121.259,89.1 123.666,89.1 123.9,89.334 123.9,93.8 124.2,94.1 128,94.1 128.02,94.12
  L1 Top w0.114: 128.02,94.12 128.68,94.12 129.178,94.618 130.507,94.618 130.564,94.618 ccw(c130.564,94.787) 130.733,94.787 130.733,94.935 cw(c130.902,94.935) 130.902,95.104 131.128,95.104 cw(c131.128,94.935) 131.297,94.935 131.297,94.787 ccw(c131.466,94.787) 131.466,94.618 133.5,94.618 134.861,94.618 135.141,94.898 135.498,94.898 145.959,105.359 145.959,118.225 151.255,123.52 151.255,146.288 169.158,164.191 176.85,164.191 181.594,164.191 185.198,167.795 192.729,167.795 193.197,168.263 193.197,168.446 U19.35@193.368,168.617
HDMI_FPGA_TX0_P: U1.P19 U19.36 | length 130
  L1 Top w0.1: U1.P19@120.5,89.5 120.577,89.423 120.841,89.423 120.9,89.365 120.9,89.176 121.176,88.9 123.749,88.9 124.1,89.251 124.1,93.717 124.283,93.9 128,93.9 128.02,93.88
  L1 Top w0.114: 128.02,93.88 128.78,93.88 129.277,94.377 134.5,94.377 134.961,94.377 135.241,94.657 135.598,94.657 146.2,105.259 146.2,118.125 151.495,123.42 151.495,146.188 169.257,163.95 181.694,163.95 185.297,167.554 192.828,167.554 193.367,168.092 193.55,168.092 U19.36@193.722,168.264